# Altium PCB nRF24L01 无线收发.PcbDoc
Units mil, origin at the board's own origin, x right, y up, seen from the top; angles counter-clockwise.
Board outline 6000 x 4000 mil, 2 copper layers (Top Layer, Bottom Layer); 12 components, 17 nets, 44 pads, 0 vias.
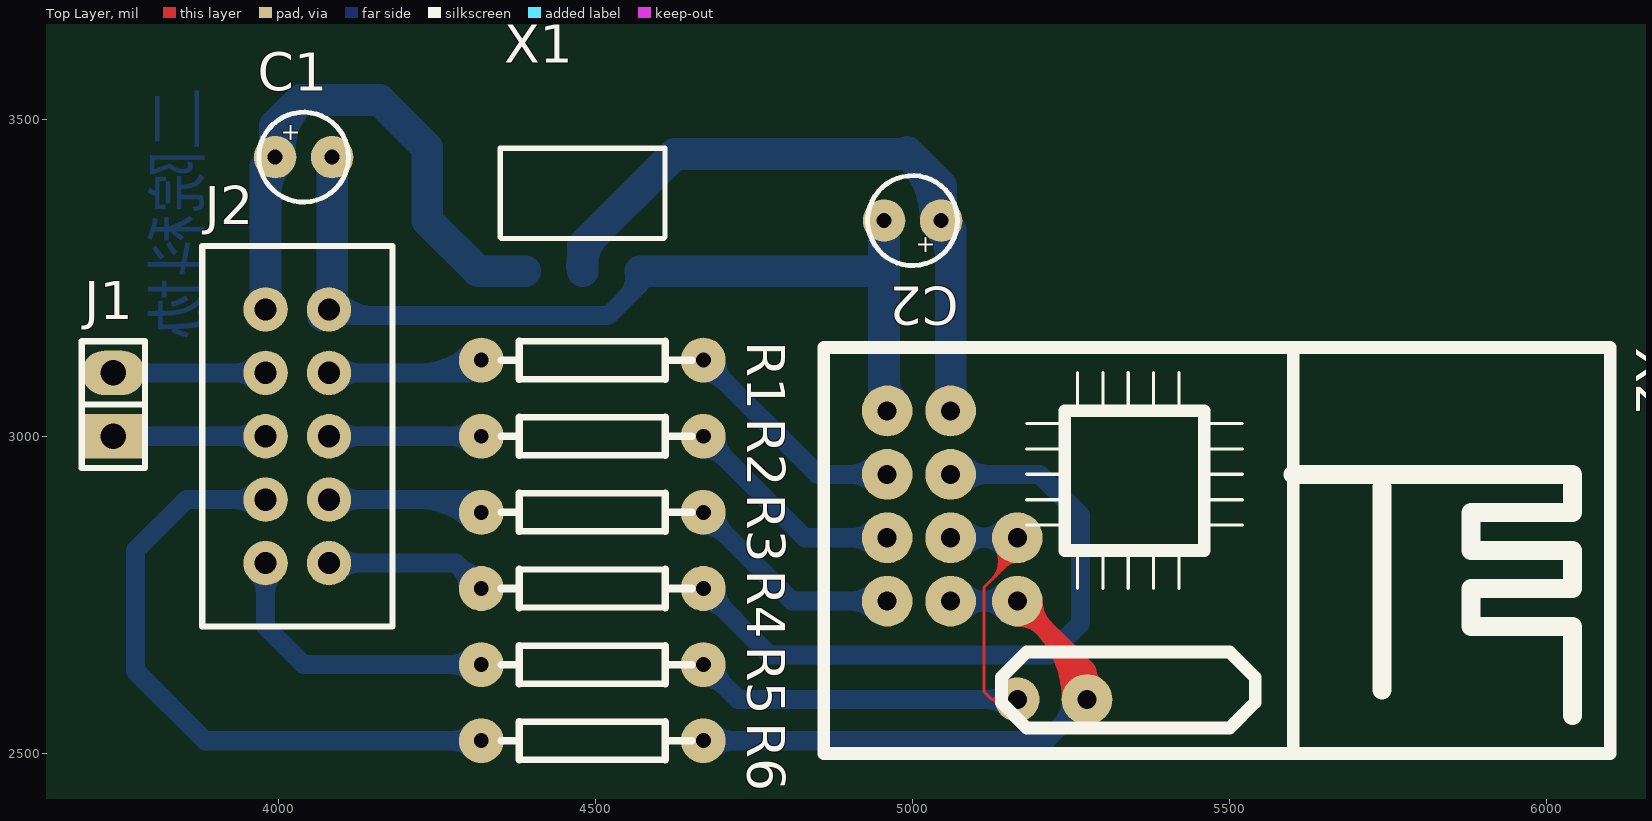
[diagram p0: Top Layer view]
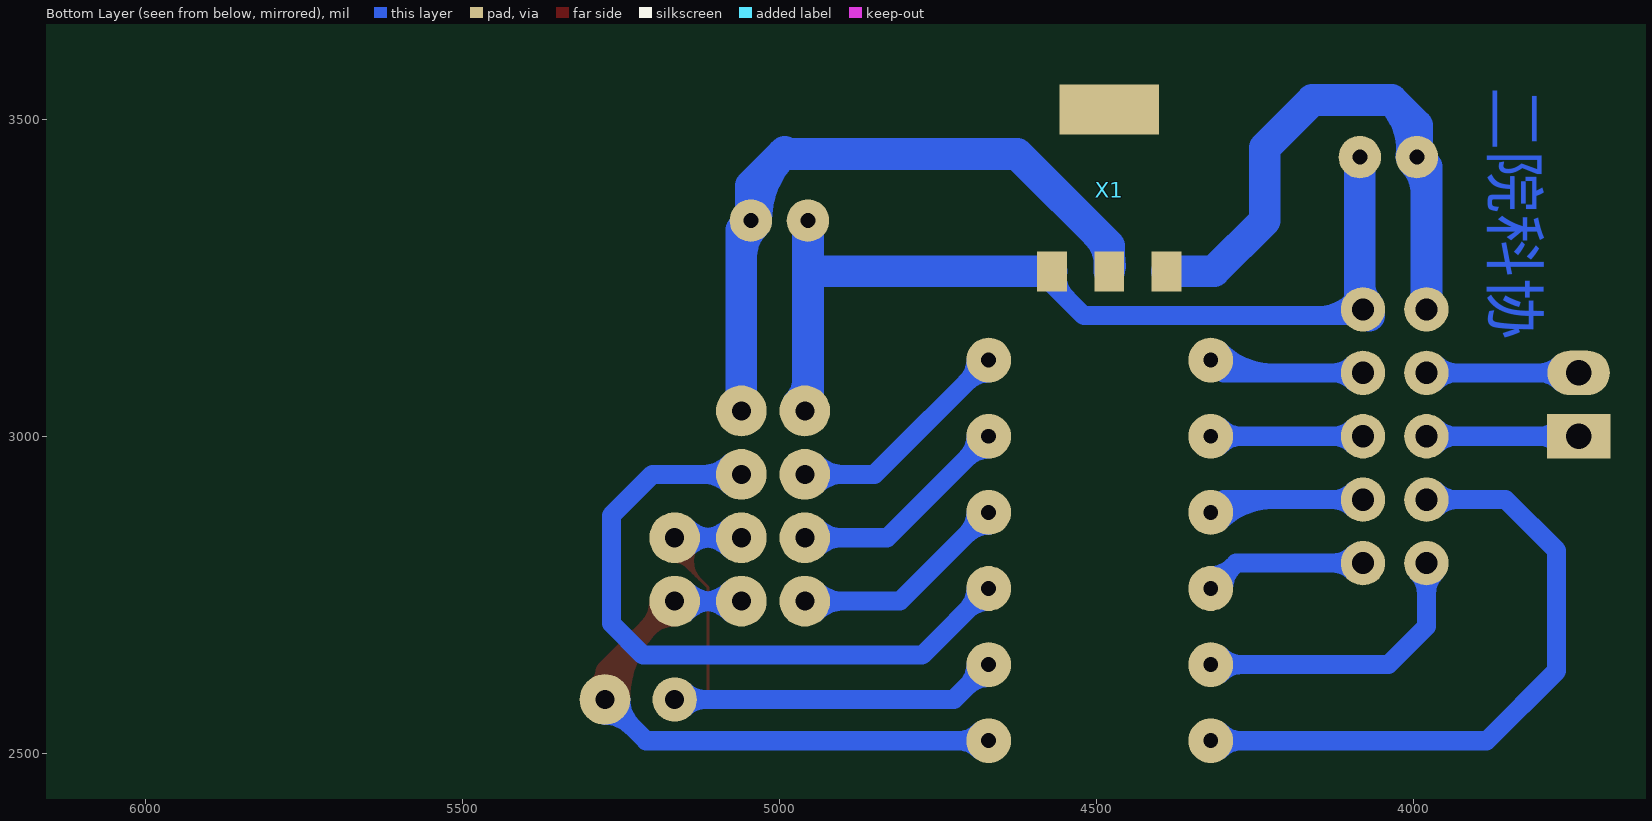
[diagram p1: Bottom Layer view, seen from below]

## Layer stack, top to bottom
Top Layer: signal copper 1.4
Dielectric: dielectric 12.6, FR-4, Dk 4.8
Bottom Layer: signal copper 1.4

## Board outline
1000,1000 7000,1000 7000,5000 1000,5000

## Design rules (kind name [scope] priority, off if disabled: settings)
Clearance [All] p1: gap=10
ComponentClearance [All] p1 off: gap=10 collisioncheckmode=3 verticalgap=10 showdistances=FALSE
Height [All] p1 off: minheight=0 maxheight=1000 prefheight=500
PolygonConnect [All] p1: connectstyle=Relief reliefconductorwidth=10 reliefentries=4 polygonreliefangle="90 Angle"
RoutingVias [All] p1: holewidth=28 width=50 viastyle="Through Hole" minholewidth=28 minwidth=50 maxholewidth=28 maxwidth=50
SilkscreenOverComponentPads [All] p1: minsilkscreentomaskgap=10
SolderMaskExpansion [All] p1: expansion=4
Width [All] p1: maxlimit=100 minlimit=5 preferedwidth=40
25 further rules are at their usual default settings.

## Components (designator, comment, footprint, x,y, rotation, side; value= is the part's Value field where it differs from the comment)
C1 "CAP3" CAO1 4040,3440 r0 top
C2 "CAP3" CAO1 5000,3340 r180 top
J1 "CON2" sip-2 3740,3000 r90 top
J2 "10P插槽" 10P插槽 3980,3200 r0 top
R1 "RES" AXIAL0.3 4320,3120 r0 top
R2 "RES" AXIAL0.3 4320,3000 r0 top
R3 "RES" AXIAL0.3 4320,2880 r0 top
R4 "RES" AXIAL0.3 4320,2760 r0 top
R5 "RES" AXIAL0.3 4320,2640 r0 top
R6 "RES" AXIAL0.3 4320,2520 r0 top
X1 "LD1117" SOT-223 4480,3260 r0 top
X2 "nRF24L01 模块" nRF24L01模块 4960,2940 r0 top

## Footprints (in the part's own frame and the unit in brackets; to place one, negate y for a bottom-side part, rotate by r counter-clockwise, add the part's x,y. Pads: shape width x height; smd on the part's side, far side on the other; paste and mask are expansions set on the pad)
10P插槽 [mil]
  round 70 hole 35: 1(0,0) 2(100,0) 3(0,-100) 4(0,-200) 5(0,-300) 6(0,-400) 7(100,-100) 8(100,-200) 9(100,-300) 10(100,-400)
  silkscreen extent -100,-500 200,100
AXIAL0.3 [mm]
  round 1.8 hole 0.6: 1(0,0) 2(8.89,0)
  silkscreen extent 0.81,-0.76 8.43,0.76
CAO1 [mm]
  round 1.7 hole 0.6: 1(-1.143,0) 2(1.143,0)
  silkscreen extent -1.8,-1.8 1.8,1.8
nRF24L01模块 [mil]
  round 80 hole 30: 0(0,100) 1(0,0) 2(0,-100) 3(0,-200) 4(100,100) 5(100,0) 6(100,-100) 7(100,-200)
  silkscreen extent -100,-440 1140,200
sip-2 [mil]
  rect 70x100 hole 40: 1(0,0)
  oval 70x98.42 hole 40: 2(100,0)
  silkscreen extent -50,-50 150,50
SOT-223 [mm]
  rect 1.2x1.6 smd far side: 1(-2.3,0) 2(0,0) 3(2.3,0)
  rect 4x2 smd far side: 4(0,6.477)
  silkscreen extent -3.3,1.32 3.3,4.93

## Part data
J1: "Connector"

## Free pads (board coordinates)
  round 80 hole 30: 0(5165,2840) 1(5165,2740) 1(5275,2585)
  round 70 hole 30: 1(5165,2585)

## Nets (pads, with @x,y where several pads share a name; then routed paths per layer and width w, separated by ;. In a path a pad name is that pad's centre, name@x,y a point inside that pad or via, vN(x,y) a via of type N, cw(c..) or ccw(c..) an arc to the next point about the centre after c; other vN are vias at no path point)
3.3V: C2.1 X1.2 X2.4 | length 1281.9
  Bottom Layer w50: X1.2@4478.62,3267.87 cw(c4552.85,3267.87) 4500.36,3320.36 ; X1.2 4480,3300 4625,3445 4995,3445 5045,3395 C2.1 5060,3325 X2.4 ; 4991.66,3448.34 cw(c4883.32,3340) C2.1@5036.54,3340 ; C2.1@5039.01,3334.01 cw(c4988.35,3283.35) 5060,3283.35
GND: C1.2 C2.2 J2.2 X1.3 X2.0 | length 1660.9
  Bottom Layer w30: J2.2@4070,3190 4520,3190 4570.55,3240.55 X1.3 ; J2.2@4094.14,3214.14 ccw(c4152.43,3272.43) 4152.43,3190 ; 4547.65,3217.65 ccw(c4513.17,3252.13) X1.3@4561.93,3252.13 ; X2.0@4955,3045 X2.0
  Bottom Layer w50: J2.2@4070,3190 4085,3205 C1.2 ; J2.2@4072.93,3207.07 ccw(c4043.79,3236.21) 4085,3236.21 ; X1.3 4955,3260 ; X2.0@4955,3045 4955,3260 ; 4955,3088.28 ccw(c5008.28,3088.28) X2.0@4970.61,3050.61 ; C2.2 4955,3260
NetC1_1: C1.1 J2.1 X1.1 | length 1040.4
  Bottom Layer w50: J2.1 3980,3425 C1.1 3995,3490 4035,3530 ; 3980,3383.35 cw(c4051.65,3383.35) C1.1@4000.99,3434.01 ; C1.1@4003.42,3440.88 cw(c4112.68,3452.32) 4035,3530 ; X1.1 4315,3260 4235,3340 4235,3455 4160,3530 4035,3530
NetJ1_1: J1.1 J2.4 | length 391.7
  Bottom Layer w30: J1.1 J2.4 ; J1.1@3769.14,2985.86 cw(c3803.28,2951.72) 3803.28,3000 cw(c3803.28,3048.28) J1.1@3769.14,3014.14 ; J2.4@3965.86,2985.86 ccw(c3931.72,2951.72) 3931.72,3000 ccw(c3931.72,3048.28) J2.4@3965.86,3014.14
NetJ1_2: J1.2 J2.3 | length 391.7
  Bottom Layer w30: J1.2 J2.3 ; J1.2@3768.35,3085.86 cw(c3802.5,3051.72) 3802.5,3100 cw(c3802.5,3148.28) J1.2@3768.35,3114.14 ; J2.3@3965.86,3085.86 ccw(c3931.72,3051.72) 3931.72,3100 ccw(c3931.72,3148.28) J2.3@3965.86,3114.14
NetJ2_5: J2.5 R6.1 | length 1172
  Bottom Layer w30: J2.5@3965.86,2885.86 ccw(c3931.72,2851.72) 3931.72,2900 ccw(c3931.72,2948.28) J2.5@3965.86,2914.14 ; J2.5 3855,2900 3775,2820 3775,2630 3885,2520 R6.1 ; R6.1@4305.55,2505.55 ccw(c4270.67,2470.67) 4270.67,2520 ccw(c4270.67,2569.33) R6.1@4305.55,2534.45
NetJ2_6: J2.6 R5.1 | length 618.2
  Bottom Layer w30: J2.6@3965.86,2785.86 cw(c3931.72,2751.72) 3980,2751.72 cw(c4028.28,2751.72) J2.6@3994.14,2785.86 ; J2.6 3980,2700 4040,2640 R5.1 ; R5.1@4305.55,2625.55 ccw(c4270.67,2590.67) 4270.67,2640 ccw(c4270.67,2689.33) R5.1@4305.55,2654.45
NetJ2_7: J2.7 R1.1 | length 416.5
  Bottom Layer w30: J2.7 4300,3100 R1.1 ; J2.7@4094.14,3085.86 cw(c4128.28,3051.72) 4128.28,3100 cw(c4128.28,3148.28) J2.7@4094.14,3114.14 ; 4222.39,3100 ccw(c4222.39,3217.61) R1.1@4305.55,3134.45
NetJ2_8: J2.8 R2.1 | length 393.3
  Bottom Layer w30: J2.8 R2.1 ; J2.8@4094.14,2985.86 cw(c4128.28,2951.72) 4128.28,3000 cw(c4128.28,3048.28) J2.8@4094.14,3014.14 ; R2.1@4305.55,2985.55 ccw(c4270.67,2950.67) 4270.67,3000 ccw(c4270.67,3049.33) R2.1@4305.55,3014.45
NetJ2_9: J2.9 R3.1 | length 416.5
  Bottom Layer w30: J2.9 4300,2900 R3.1 ; J2.9@4094.14,2885.86 cw(c4128.28,2851.72) 4128.28,2900 cw(c4128.28,2948.28) J2.9@4094.14,2914.14 ; 4222.39,2900 cw(c4222.39,2782.39) R3.1@4305.55,2865.55
NetJ2_10: J2.10 R4.1 | length 409.9
  Bottom Layer w30: J2.10 4280,2800 R4.1 ; J2.10@4094.14,2785.86 cw(c4128.28,2751.72) 4128.28,2800 cw(c4128.28,2848.28) J2.10@4094.14,2814.14 ; R4.1@4299.57,2760 ccw(c4250.24,2760) 4285.12,2794.88 ccw(c4320,2829.76) R4.1@4320,2780.43
NetR1_2: R1.2 X2.1 | length 536.9
  Bottom Layer w30: R1.2@4670,3099.57 cw(c4670,3050.24) 4704.88,3085.12 cw(c4739.76,3120) R1.2@4690.43,3120 ; R1.2 4850,2940 X2.1 ; X2.1@4942.32,2922.32 ccw(c4899.64,2879.64) 4899.64,2940 ccw(c4899.64,3000.36) X2.1@4942.32,2957.68
NetR2_2: R2.2 X2.2 | length 528.6
  Bottom Layer w30: R2.2@4670,2979.57 cw(c4670,2930.24) 4704.88,2965.12 cw(c4739.76,3000) R2.2@4690.43,3000 ; R2.2 4830,2840 X2.2 ; X2.2@4942.32,2822.32 ccw(c4899.64,2779.64) 4899.64,2840 ccw(c4899.64,2900.36) X2.2@4942.32,2857.68
NetR3_2: R3.2 X2.3 | length 520.3
  Bottom Layer w30: R3.2@4670,2859.57 cw(c4670,2810.24) 4704.88,2845.12 cw(c4739.76,2880) R3.2@4690.43,2880 ; R3.2 4810,2740 X2.3 ; X2.3@4942.32,2722.32 ccw(c4899.64,2679.64) 4899.64,2740 ccw(c4899.64,2800.36) X2.3@4942.32,2757.68
NetR4_2: R4.2 X2.5 | length 1233.4
  Bottom Layer w30: R4.2@4670,2739.57 cw(c4670,2690.24) 4704.88,2725.12 cw(c4739.76,2760) R4.2@4690.43,2760 ; R4.2 4775,2655 5215,2655 5265,2705 5265,2875 5200,2940 X2.5 ; X2.5@5077.68,2922.32 cw(c5120.36,2879.64) 5120.36,2940 cw(c5120.36,3000.36) X2.5@5077.68,2957.68
NetR5_2: pad.0 pad.1@5165,2585 R5.2 X2.6 | length 1602.9
  Top Layer w5: 5125.38,2774.62 ccw(c5097.22,2802.79) pad.0@5132.13,2821.95 ; 5130.09,2779.34 ccw(c5103.3,2806.13) pad.0@5136.51,2824.36 ; pad.1@5133.19,2578.35 ccw(c5125,2576.64) 5125,2585 ; pad.1@5133.19,2591.65 cw(c5125,2593.36) 5125,2585 ; 5134.8,2784.05 ccw(c5109.38,2809.47) pad.0@5140.89,2826.77 ; 5139.51,2788.76 ccw(c5115.47,2812.81) pad.0@5145.28,2829.17 ; 5144.23,2793.47 ccw(c5121.55,2816.15) pad.0@5149.66,2831.58 ; 5144.95,2794.19 cw(c5165,2774.14) pad.0@5165,2802.5 ; 5148.94,2798.18 ccw(c5127.63,2819.49) pad.0@5154.04,2833.98 ; pad.1@5165,2585 5125,2585 ; pad.0 5165,2814.25 5112.5,2761.75 5112.5,2597.5 5125,2585
  Bottom Layer w30: R5.2@4670,2619.57 cw(c4670,2570.24) 4704.88,2605.12 cw(c4739.76,2640) R5.2@4690.43,2640 ; R5.2 4725,2585 pad.1@5165,2585 ; X2.6 pad.0 ; X2.6@5077.68,2822.32 cw(c5120.36,2779.64) 5120.36,2840 cw(c5120.36,2900.36) X2.6@5077.68,2857.68 ; pad.0@5147.32,2822.32 ccw(c5104.64,2779.64) 5104.64,2840 ccw(c5104.64,2900.36) pad.0@5147.32,2857.68 ; pad.1@5150.86,2570.86 ccw(c5116.72,2536.72) 5116.72,2585 ccw(c5116.72,2633.28) pad.1@5150.86,2599.14
NetR6_2: pad.1@5165,2740 pad.1@5275,2585 R6.2 X2.7 | length 1659.6
  Top Layer w30: pad.1@5165,2715 cw(c5165,2654.64) 5207.68,2697.32 cw(c5250.36,2740) pad.1@5190,2740 ; pad.1@5165,2740 5275,2630 ; 5200.5,2704.5 cw(c5081.01,2585) pad.1@5250,2585 ; 5251.72,2653.28 cw(c5183.43,2585) pad.1@5280,2585 ; pad.1@5261.79,2606.23 ccw(c5247,2630) 5275,2630 ; pad.1@5275,2585 5275,2630 ; pad.1@5288.21,2606.23 cw(c5303,2630) 5275,2630
  Bottom Layer w30: R6.2 5210,2520 pad.1@5275,2585 ; R6.2@4684.45,2505.55 cw(c4719.33,2470.67) 4719.33,2520 cw(c4719.33,2569.33) R6.2@4684.45,2534.45 ; X2.7 pad.1@5165,2740 ; X2.7@5077.68,2722.32 cw(c5120.36,2679.64) 5120.36,2740 cw(c5120.36,2800.36) X2.7@5077.68,2757.68 ; pad.1@5147.32,2722.32 ccw(c5104.64,2679.64) 5104.64,2740 ccw(c5104.64,2800.36) pad.1@5147.32,2757.68 ; pad.1@5250,2585 cw(c5189.64,2585) 5232.32,2542.32 cw(c5275,2499.64) pad.1@5275,2560
pads on no net: X1.4

## Other copper
Bottom Layer:
  text "二院科协" at 3900,3550 h125 r90

## Text inside footprints (layer, text, board x,y; h text height)
C1: Top Overlay "+" at 4003.58,3466.57 h27.56
C2: Top Overlay "+" at 5036.42,3313.43 h27.56 r180